# Altium PCB PCB1.PcbDoc (part 3 of 8) (continued)
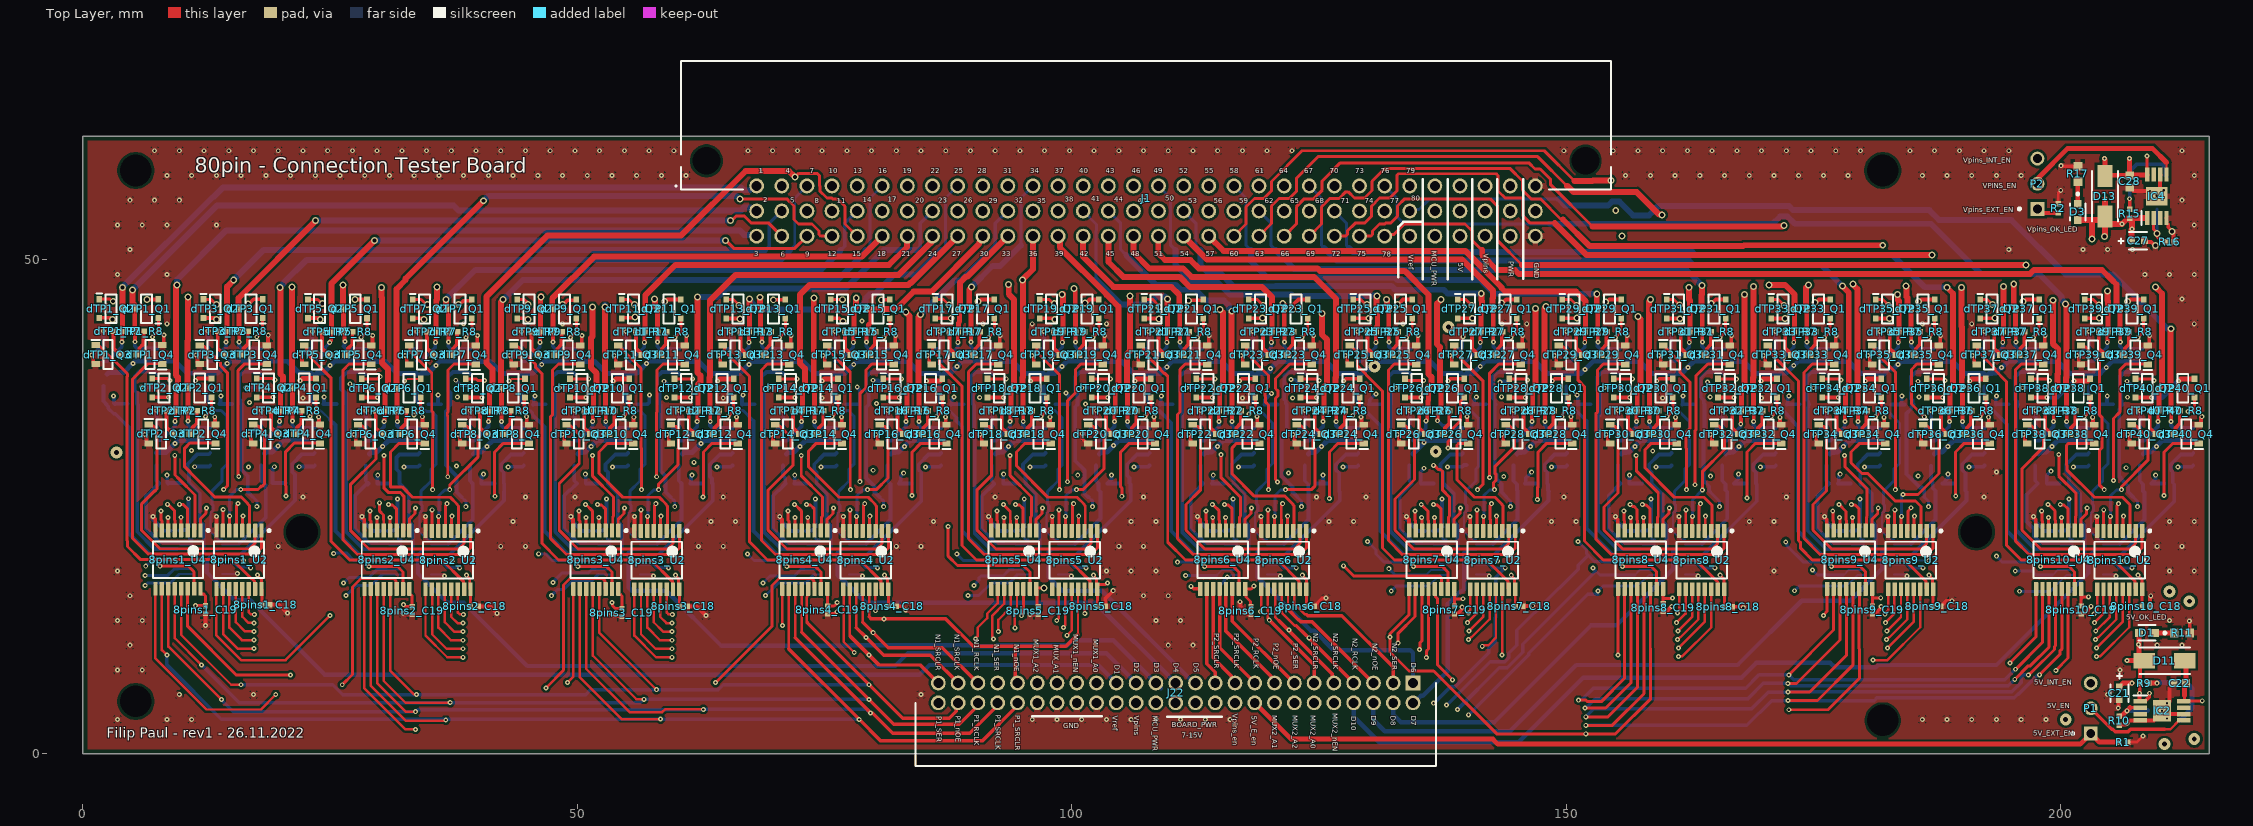
[diagram p0: Top Layer view]
## Nets (pads, with @x,y where several pads share a name; then routed paths per layer and width w, separated by ;. In a path a pad name is that pad's centre, name@x,y a point inside that pad or via, vN(x,y) a via of type N, cw(c..) or ccw(c..) an arc to the next point about the centre after c; other vN are vias at no path point) (continued)
  Layer 2 w0.3: v1(28.139,42.133) 27.688,41.682 27.688,34.685 26.479,33.476 26.479,22.052 28.181,20.35 31.407,20.35 33.007,21.95 33.007,23.39 33.642,24.025 v1(33.642,24.871)
NetdTP5_Q2_1: 8pins2_U4.15 dTP5_Q2.1 | length 35.9
  Top Layer w0.3: dTP5_Q2.1@22.753,45.959 23.741,45.959 24.14,45.56 v3(24.208,45.56) ; v1(28.917,18.974) 31.8,18.974 32.372,18.402 8pins2_U4.15@32.372,16.692
  Layer 2 w0.3: v3(24.208,45.56) 24.216,45.56 25.9,43.877 25.9,42.072 25.813,41.985 25.813,41.422 25.9,41.335 25.9,21.488 28.232,19.156 28.681,19.156 28.863,18.974 v1(28.917,18.974)
NetdTP5_Q3_1: 8pins2_U2.15 dTP5_Q3.1 | length 36.9
  Top Layer w0.3: dTP5_Q3.1@22.391,41.309 22.472,41.309 22.622,41.159 22.622,40.779 22.751,40.651 22.751,40.344 25.1,37.995 25.1,21.5 26.972,19.628 36.32,19.628 38.468,17.479 38.468,16.738 8pins2_U2.15@38.543,16.663
NetdTP5_Q3_3: dTP5_Q3.3 dTP5_R7.2 | length 2.7
  Top Layer w0.381: dTP5_R7.2@24.189,42.733 24.189,41.011 dTP5_Q3.3@24.655,40.545 ; dTP5_Q3.3@24.697,40.451 dTP5_Q3.3@25.022,40.451
NetdTP5_Q4_1: 8pins2_U2.1 dTP5_Q4.1 | length 35.8
  Top Layer w0.3: dTP5_Q4.1@29.139,39.433 26.914,39.433 26.314,38.833 26.314,21.632 27.765,20.182 38.554,20.182 39.193,20.821 8pins2_U2.1@39.193,22.563
NetdTP5_Q4_3: dTP5_Q4.3 dTP5_R8.2 | length 2.6
  Top Layer w0.381: dTP5_Q4.3@26.639,40.383 26.69,40.383 26.8,40.493 26.8,40.994 27.238,41.432 27.238,42.682 dTP5_R8.2@27.289,42.733
NetdTP6_IC1_1: 8pins2_U3.15 dTP6_IC1.1 dTP6_R5.2 | length 12.5
  Bottom Layer w0.2: 29.623,21.348 29.714,21.257 30.879,21.257 30.968,21.168 8pins2_U3.15@32.218,21.168
  Bottom Layer w0.381: dTP6_IC1.1@28.605,29.16 28.605,27.627 dTP6_R5.2@28.867,27.365 ; dTP6_R5.2@28.869,27.34 28.784,27.256 28.618,27.256 27.512,26.15 27.512,22.772 28.936,21.348 29.623,21.348
NetdTP6_IC1_7: 8pins2_U3.12 dTP6_IC1.7 dTP6_R6.2 | length 14.3
  Bottom Layer w0.2: 8pins2_U3.12@32.218,19.668 32.268,19.718 32.838,19.718 33.362,20.242 33.362,20.248
  Bottom Layer w0.381: dTP6_R6.2@32.017,27.365 32.017,28.482 31.7,28.799 31.7,29.995 32,30.295 33.894,30.295 dTP6_IC1.7@34.029,30.43 ; dTP6_R6.2@32.019,27.34 32.677,26.682 32.677,26.624 32.678,26.624 32.947,26.354 32.947,23.509 33.362,23.094 33.362,20.248
NetdTP6_Q1_1: 8pins2_U4.3 dTP6_Q1.1 | length 15.6
  Top Layer w0.3: v1(30.916,25.229) 30.954,25.191 31.31,25.191 31.695,24.806 8pins2_U4.3@31.695,22.511
  Top Layer w0.31: v1(33.482,34.291) 34.157,34.966 dTP6_Q1.1@34.157,36.04
  Layer 2 w0.3: v1(30.916,25.229) 30.916,25.283 30.721,25.478 30.721,29.244 33.482,32.005 v1(33.482,34.291)
NetdTP6_Q2_1: 8pins2_U4.2 dTP6_Q2.1 | length 19.9
  Top Layer w0.3: dTP6_Q2.1@28.181,37.94 29.797,37.94 30.013,38.156 v1(30.067,38.156) ; v1(30.448,30.176) 30.467,30.157 30.467,26.866 30.872,26.461 32.057,26.461 32.447,26.071 32.456,26.062 32.456,25.52 32.447,25.511 32.447,22.667 8pins2_U4.2@32.372,22.592
  Layer 2 w0.3: v1(30.067,38.156) 30.563,37.66 30.678,37.66 31.135,37.202 31.135,30.865 30.448,30.178 v1(30.448,30.176)
NetdTP6_Q3_1: 8pins2_U2.2 dTP6_Q3.1 | length 26.5
  Top Layer w0.3: dTP6_Q3.1@27.817,33.315 27.967,33.165 28.267,33.165 29.429,32.003 29.429,31.023 29.629,30.823 29.629,29.824 27.038,27.233 27.038,22.635 28.937,20.736 37.99,20.736 38.538,21.284 38.538,22.558 8pins2_U2.2@38.543,22.563
NetdTP6_Q3_3: dTP6_Q3.3 dTP6_R7.2 | length 2.7
  Top Layer w0.381: dTP6_R7.2@29.617,34.715 29.617,32.992 dTP6_Q3.3@30.082,32.527 ; dTP6_Q3.3@30.124,32.432 dTP6_Q3.3@30.449,32.432
NetdTP6_Q4_1: 8pins2_U2.3 dTP6_Q4.1 | length 17.6
  Top Layer w0.3: dTP6_Q4.1@34.567,31.415 31.967,31.415 31.102,30.55 31.102,27.015 32.287,27.015 33.338,25.963 37.147,25.963 37.833,25.277 37.833,25.223 37.968,25.088 37.968,22.638 8pins2_U2.3@37.893,22.563
NetdTP6_Q4_3: dTP6_Q4.3 dTP6_R8.2 | length 2.6
  Top Layer w0.381: dTP6_Q4.3@32.067,32.365 32.118,32.365 32.227,32.474 32.227,32.975 32.666,33.413 32.666,34.663 dTP6_R8.2@32.717,34.715
NetdTP7_IC1_1: 8pins2_U3.1 dTP7_IC1.1 dTP7_R5.2 | length 18.2
  Bottom Layer w0.2: 34.191,24.495 34.155,24.495 34.028,24.369 34.028,22.483 34.843,21.668 8pins2_U3.1@35.218,21.668
  Bottom Layer w0.3: dTP7_R5.2@34.038,35.377 34.038,35.355 34.315,35.078 34.315,34.933 34.52,34.728 34.665,34.728 34.755,34.638 35.279,34.638 35.699,34.218 35.699,29.295 35.214,28.81 35.214,27.602 34.173,26.56 34.173,25.265 34.296,25.142 34.296,24.6 34.191,24.495
  Bottom Layer w0.381: dTP7_IC1.1@33.776,37.172 33.776,35.639 dTP7_R5.2@34.038,35.377
NetdTP7_IC1_7: 8pins2_U3.5 dTP7_IC1.7 dTP7_R6.2 | length 25.1
  Layer 2 w0.3: v1(37.386,19.528) 37.386,21.581 38.717,22.912 v1(38.717,25.005)
  Bottom Layer w0.2: 8pins2_U3.5@35.218,19.668 36.822,19.668 36.867,19.624 37.119,19.624 37.157,19.585 37.328,19.585 v1(37.386,19.528)
  Bottom Layer w0.3: 38.29,25.989 38.717,25.562 v1(38.717,25.005)
  Bottom Layer w0.381: dTP7_R6.2@37.188,35.377 37.166,35.399 37.166,36.517 36.938,36.745 36.938,38.16 37.411,38.634 38.407,38.634 38.488,38.553 39.067,38.553 dTP7_IC1.7@39.202,38.418 ; dTP7_R6.2@37.19,35.353 36.955,35.119 36.955,34.917 36.7,34.661 36.7,29.208 37.791,28.118 37.791,26.488 38.29,25.989
NetdTP7_Q1_1: 8pins2_U4.5 dTP7_Q1.1 | length 26.8
  Top Layer w0.3: v1(30.007,25.399) 30.007,24.557 30.387,24.177 30.387,23.65 30.422,23.615 8pins2_U4.5@30.422,22.592 ; v1(38.738,42.127) 39.326,42.715 dTP7_Q1.1@39.326,44.077
  Layer 2 w0.3: v1(37.861,36.095) 37.861,36.136 38.738,37.014 v1(38.738,42.127)
  Layer 3 w0.3: v1(30.007,25.399) 31.282,26.674 33.519,26.674 37.162,30.318 37.162,35.396 v1(37.861,36.095)
NetdTP7_Q2_1: 8pins2_U4.4 dTP7_Q2.1 | length 28
  Top Layer w0.3: v1(31.041,23.921) 31.041,22.623 8pins2_U4.4@31.072,22.592 ; dTP7_Q2.1@33.352,45.953 34.206,45.953 34.714,45.445 v3(34.822,45.445)
  Layer 2 w0.3: v1(31.041,23.921) 31.079,23.959 31.079,24.143 36.7,29.765 36.7,40.987 36.307,41.38 36.307,41.921 36.7,42.314 36.7,43.567 v3(34.822,45.445)
NetdTP7_Q3_1: 8pins2_U2.4 dTP7_Q3.1 | length 20.8
  Top Layer w0.3: dTP7_Q3.1@32.99,41.303 33.091,41.203 33.091,40.729 33.242,40.578 33.242,40.553 35.274,38.521 35.274,34.694 35.383,34.586 35.383,32.885 35.369,32.871 v1(35.369,26.725) ; 8pins2_U2.4@37.243,22.563 37.279,22.599 37.279,24.012 v1(37.314,24.048)
  Layer 2 w0.3: v1(35.369,26.725) 35.369,25.523 35.545,25.347 35.589,25.347 36.888,24.048 v1(37.314,24.048)
NetdTP7_Q3_3: dTP7_Q3.3 dTP7_R7.2 | length 2.7
  Top Layer w0.381: dTP7_R7.2@34.788,42.727 34.788,41.005 dTP7_Q3.3@35.254,40.54 ; dTP7_Q3.3@35.296,40.445 dTP7_Q3.3@35.621,40.445
NetdTP7_Q4_1: 8pins2_U2.5 dTP7_Q4.1 | length 19.9
  Top Layer w0.3: 8pins2_U2.5@36.593,22.563 36.668,22.638 36.668,23.713 36.66,23.721 36.66,25.112 36.804,25.255 v1(36.804,25.309) ; v1(36.893,28.033) 36.893,34.167 36.842,34.218 36.842,34.493 36.913,34.565 36.913,38.827 37.513,39.427 dTP7_Q4.1@39.738,39.427
  Layer 3 w0.3: v1(36.804,25.309) 36.309,25.804 36.309,27.449 v1(36.893,28.033)
NetdTP7_Q4_3: dTP7_Q4.3 dTP7_R8.2 | length 2.6
  Top Layer w0.381: dTP7_Q4.3@37.238,40.377 37.289,40.377 37.399,40.487 37.399,40.988 37.837,41.426 37.837,42.676 dTP7_R8.2@37.888,42.727
NetdTP8_IC1_1: 8pins2_U3.2 dTP8_IC1.1 dTP8_R5.2 | length 10.8
  Bottom Layer w0.2: 8pins2_U3.2@35.218,21.168 36.873,21.168 36.944,21.239
  Bottom Layer w0.381: 36.944,21.239 39.419,23.714 39.419,27.331 dTP8_R5.2@39.41,27.34 ; dTP8_IC1.1@39.146,29.16 39.146,27.627 dTP8_R5.2@39.408,27.365
NetdTP8_IC1_7: 8pins2_U3.4 dTP8_IC1.7 dTP8_R6.2 | length 16.1
  Bottom Layer w0.2: 8pins2_U3.4@35.218,20.168 37.092,20.168
  Bottom Layer w0.381: 37.092,20.168 42.569,25.645 42.569,26.508 42.608,26.547 42.608,27.292 dTP8_R6.2@42.56,27.34 ; dTP8_R6.2@42.558,27.365 42.558,28.482 42.308,28.732 42.308,29.308 43.295,30.295 44.435,30.295 dTP8_IC1.7@44.57,30.43
NetdTP8_Q1_1: 8pins2_U4.7 dTP8_Q1.1 | length 24.5
  Top Layer w0.3: v1(29.044,24.566) 29.051,24.56 29.051,23.635 29.122,23.564 8pins2_U4.7@29.122,22.592 ; v1(44.148,34.609) 44.202,34.609 44.43,34.837 44.623,34.837
  Top Layer w0.31: 44.623,34.837 44.625,34.838 44.625,35.968 dTP8_Q1.1@44.698,36.04
  Layer 2 w0.3: v1(37.764,29.126) 38.284,29.645 41.663,29.645 43.858,31.84 43.858,33.759 44.11,34.011 44.11,34.571 v1(44.148,34.609)
  Layer 3 w0.3: v1(29.044,24.566) 29.053,24.575 31.625,24.575 31.661,24.611 32.238,24.611 36.754,29.126 v1(37.764,29.126)
NetdTP8_Q2_1: 8pins2_U4.6 dTP8_Q2.1 | length 25
  Top Layer w0.3: v1(29.733,23.906) 29.752,23.886 29.752,22.612 8pins2_U4.6@29.772,22.592 ; dTP8_Q2.1@38.722,37.94 39.75,37.94 39.9,37.79 40.568,37.79 v1(40.6,37.758)
  Layer 2 w0.3: v1(29.733,23.906) 30.397,23.241 31.286,23.241 31.695,23.65 31.695,23.976 37.254,29.535 37.254,29.849 40.366,32.961 41.279,32.961 41.676,33.358 41.676,36.804 41.218,37.262 41.096,37.262 v1(40.6,37.758)
NetdTP8_Q3_1: 8pins2_U2.6 dTP8_Q3.1 | length 13.5
  Top Layer w0.3: 8pins2_U2.6@35.943,22.563 35.961,22.581 35.961,24.015 v1(35.979,24.033) ; v1(37.096,26.725) 37.096,27.194 39.97,30.068 39.97,32.003 38.808,33.165 38.508,33.165 dTP8_Q3.1@38.358,33.315
  Bottom Layer w0.3: v1(35.979,24.033) 36.017,24.071 36.017,26.128 36.593,26.705 37.076,26.705 v1(37.096,26.725)
NetdTP8_Q3_3: dTP8_Q3.3 dTP8_R7.2 | length 2.7
  Top Layer w0.381: dTP8_R7.2@40.158,34.715 40.158,32.992 dTP8_Q3.3@40.623,32.527 ; dTP8_Q3.3@40.665,32.432 dTP8_Q3.3@40.99,32.432
NetdTP8_Q4_1: 8pins2_U2.7 dTP8_Q4.1 | length 19
  Top Layer w0.3: 8pins2_U2.7@35.293,22.563 35.306,22.576 35.306,24.681 v1(35.318,24.693) ; v1(41.668,26.065) 41.643,26.09 41.643,30.55 42.508,31.415 dTP8_Q4.1@45.108,31.415
  Layer 3 w0.3: v1(35.318,24.693) 35.318,23.768 35.708,23.379 38.982,23.379 v1(41.668,26.065)
NetdTP8_Q4_3: dTP8_Q4.3 dTP8_R8.2 | length 2.6
  Top Layer w0.381: dTP8_Q4.3@42.608,32.365 42.659,32.365 42.768,32.474 42.768,32.975 43.207,33.413 43.207,34.663 dTP8_R8.2@43.258,34.715
NetdTP9_IC1_1: 8pins3_U3.13 dTP9_IC1.1 dTP9_R5.2 | length 23.3
  Bottom Layer w0.2: 49.048,20.172 49.276,20.172 49.28,20.168 52.008,20.168 52.012,20.172 8pins3_U3.13@53.343,20.172
  Bottom Layer w0.25: 49.048,20.172 49.052,20.168
  Bottom Layer w0.3: dTP9_R5.2@44.606,35.353 44.731,35.228 44.731,35.203 44.881,35.053 44.881,34.933 45.086,34.728 45.231,34.728 45.48,34.48 45.48,34.272 45.617,34.134
  Bottom Layer w0.381: dTP9_IC1.1@44.343,37.172 44.343,35.639 dTP9_R5.2@44.605,35.377 ; 45.617,34.134 46.668,33.084 46.668,22.552 49.048,20.172
NetdTP9_IC1_7: 8pins3_U3.14 dTP9_IC1.7 dTP9_R6.2 | length 24.7
  Bottom Layer w0.2: 51.782,20.713 51.827,20.668 8pins3_U3.14@53.347,20.668
  Bottom Layer w0.381: dTP9_IC1.7@49.768,38.418 49.634,38.553 49.054,38.553 48.973,38.634 47.978,38.634 47.505,38.16 47.505,36.745 47.755,36.495 47.755,35.377 47.756,35.376 47.756,22.462 49.506,20.713 51.782,20.713
NetdTP9_Q1_1: 8pins3_U4.1 dTP9_Q1.1 | length 35.9
  Top Layer w0.3: v1(49.305,42.127) 49.893,42.715 dTP9_Q1.1@49.893,44.077 ; 8pins3_U4.1@54.135,23.27 54.135,23.742 54.72,24.327 54.72,24.766 54.771,24.817 v1(54.771,24.871)
  Layer 2 w0.3: v1(49.305,42.127) 48.853,41.676 48.853,36.762 48.846,36.755 48.846,36.061 47.608,34.823 47.608,22.052 49.31,20.35 52.535,20.35 54.136,21.95 54.136,23.39 54.771,24.025 v1(54.771,24.871)
NetdTP9_Q2_1: 8pins3_U4.15 dTP9_Q2.1 | length 36
  Top Layer w0.3: dTP9_Q2.1@43.918,45.953 44.647,45.953 44.923,45.677 44.923,45.521 v3(45,45.445) ; v1(50.046,18.974) 52.929,18.974 53.501,18.402 8pins3_U4.15@53.501,16.692
  Layer 2 w0.3: v3(45,45.445) 45.792,44.652 46.284,44.652 47,43.936 47,42.048 46.874,41.921 46.874,40.613 47.054,40.432 47.054,35.052 47.054,21.822 47.054,21.462 49.36,19.156 49.81,19.156 49.992,18.974 v1(50.046,18.974)
NetdTP9_Q3_1: 8pins3_U2.15 dTP9_Q3.1 | length 37
  Top Layer w0.3: dTP9_Q3.1@43.555,41.327 43.705,41.177 44.005,41.177 45.746,39.436 45.746,39.124 46.4,38.47 46.4,21.329 48.101,19.628 57.449,19.628 59.597,17.479 59.597,16.738 8pins3_U2.15@59.672,16.663
NetdTP9_Q3_3: dTP9_Q3.3 dTP9_R7.2 | length 2.7
  Top Layer w0.381: dTP9_R7.2@45.355,42.727 45.355,41.005 dTP9_Q3.3@45.82,40.54 ; dTP9_Q3.3@45.862,40.445 dTP9_Q3.3@46.187,40.445
NetdTP9_Q4_1: 8pins3_U2.1 dTP9_Q4.1 | length 35.9
  Top Layer w0.3: dTP9_Q4.1@50.305,39.427 48.08,39.427 47.48,38.827 47.48,34.293 47.303,34.117 47.303,21.772 48.894,20.182 59.683,20.182 60.322,20.821 8pins3_U2.1@60.322,22.563
NetdTP9_Q4_3: dTP9_Q4.3 dTP9_R8.2 | length 2.6
  Top Layer w0.381: dTP9_Q4.3@47.805,40.377 47.856,40.377 47.965,40.487 47.965,40.988 48.403,41.426 48.403,42.676 dTP9_R8.2@48.455,42.727
NetdTP10_IC1_1: 8pins3_U3.15 dTP10_IC1.1 dTP10_R5.2 | length 12.4
  Bottom Layer w0.2: 50.752,21.348 50.843,21.257 52.008,21.257 52.097,21.168 8pins3_U3.15@53.347,21.168
  Bottom Layer w0.381: dTP10_IC1.1@49.687,29.16 49.687,27.627 dTP10_R5.2@49.949,27.365 ; dTP10_R5.2@49.951,27.34 49.284,26.674 49.208,26.674 48.641,26.107 48.641,22.772 50.065,21.348 50.752,21.348
NetdTP10_IC1_7: 8pins3_U3.12 dTP10_IC1.7 dTP10_R6.2 | length 13.8
  Bottom Layer w0.2: 8pins3_U3.12@53.347,19.668 53.397,19.718 53.967,19.718 54.491,20.242 54.491,20.248
  Bottom Layer w0.381: dTP10_R6.2@53.099,27.365 53.099,28.482 52.849,28.732 52.849,29.308 53.836,30.295 54.976,30.295 dTP10_IC1.7@55.111,30.43 ; dTP10_R6.2@53.101,27.34 53.805,26.635 53.805,26.624 53.807,26.624 54.076,26.354 54.076,23.509 54.491,23.094 54.491,20.248
NetdTP10_Q1_1: 8pins3_U4.3 dTP10_Q1.1 | length 15.6
  Top Layer w0.3: v1(52.045,25.229) 52.083,25.191 52.439,25.191 52.823,24.806 8pins3_U4.3@52.823,22.511 ; v1(54.649,34.115) 55.237,34.703
  Top Layer w0.31: 55.237,34.703 55.239,34.704 dTP10_Q1.1@55.239,36.04
  Layer 2 w0.3: v1(52.045,25.229) 52.045,25.283 51.85,25.478 51.85,26.598 51.824,26.624 51.824,29.265 54.399,31.84 54.399,33.832 54.649,34.082 v1(54.649,34.115)
NetdTP10_Q2_1: 8pins3_U4.2 dTP10_Q2.1 | length 18.9
  Top Layer w0.3: dTP10_Q2.1@49.263,37.94 v1(51.149,37.94) ; v1(51.53,30.176) 51.549,30.157 51.549,28.098 53.653,25.994 53.653,24.044 53.576,23.967 53.576,23.318 53.576,22.667 8pins3_U4.2@53.501,22.592
  Layer 2 w0.3: v1(51.149,37.94) 52.217,36.872 52.217,30.865 51.53,30.178 v1(51.53,30.176)
NetdTP10_Q3_1: 8pins3_U2.2 dTP10_Q3.1 | length 26
  Top Layer w0.3: dTP10_Q3.1@48.899,33.315 49.049,33.165 49.349,33.165 50.191,32.322 50.191,29.386 48.167,27.362 48.167,22.635 50.066,20.736 59.119,20.736 59.667,21.284 59.667,22.558 8pins3_U2.2@59.672,22.563
NetdTP10_Q3_3: dTP10_Q3.3 dTP10_R7.2 | length 2.7
  Top Layer w0.381: dTP10_R7.2@50.699,34.715 50.699,32.992 dTP10_Q3.3@51.164,32.527 ; dTP10_Q3.3@51.206,32.432 dTP10_Q3.3@51.531,32.432
NetdTP10_Q4_1: 8pins3_U2.3 dTP10_Q4.1 | length 16.9
  Top Layer w0.3: dTP10_Q4.1@55.649,31.415 53.049,31.415 52.184,30.55 52.184,28.379 54.6,25.963 58.276,25.963 58.962,25.277 58.962,25.223 59.097,25.088 59.097,22.638 8pins3_U2.3@59.022,22.563
NetdTP10_Q4_3: dTP10_Q4.3 dTP10_R8.2 | length 2.6
  Top Layer w0.381: dTP10_Q4.3@53.149,32.365 53.2,32.365 53.309,32.474 53.309,32.975 53.748,33.413 53.748,34.663 dTP10_R8.2@53.799,34.715
NetdTP11_IC1_1: 8pins3_U3.1 dTP11_IC1.1 dTP11_R5.2 | length 18.2
  Bottom Layer w0.2: 55.32,24.495 55.284,24.495 55.157,24.369 55.157,22.483 55.972,21.668 8pins3_U3.1@56.347,21.668
  Bottom Layer w0.3: dTP11_R5.2@55.171,35.377 55.171,35.355 dTP11_R5.2@55.173,35.353 55.448,35.078 55.448,34.933 55.673,34.708 56.338,34.708 56.828,34.218 56.828,29.295 56.343,28.81 56.343,27.602 55.302,26.56 55.302,25.265 55.425,25.142 55.425,24.6 55.32,24.495
  Bottom Layer w0.381: dTP11_IC1.1@54.909,37.172 54.909,35.639 dTP11_R5.2@55.171,35.377
NetdTP11_IC1_7: 8pins3_U3.5 dTP11_IC1.7 dTP11_R6.2 | length 24.7
  Layer 2 w0.3: v1(58.515,19.528) 58.515,21.581 59.846,22.912 v1(59.846,25.005)
  Bottom Layer w0.2: 8pins3_U3.5@56.347,19.668 57.951,19.668 57.996,19.624 58.248,19.624 58.286,19.585 58.457,19.585 v1(58.515,19.528)
  Bottom Layer w0.3: 59.419,25.989 59.846,25.562 v1(59.846,25.005)
  Bottom Layer w0.381: 59.419,25.989 58.92,26.488 58.92,28.118 58.396,28.641 58.396,31.98 58.37,32.006 58.37,32.582 58.396,32.608 58.396,35.302 58.321,35.377 58.321,36.495 58.071,36.745 58.071,38.16 58.544,38.634 59.54,38.634 59.62,38.553 60.2,38.553 dTP11_IC1.7@60.335,38.418
NetdTP11_Q1_1: 8pins3_U4.5 dTP11_Q1.1 | length 27.2
  Top Layer w0.3: v1(50.819,25.229) 50.873,25.229 51.515,24.586 51.515,23.65 51.551,23.615 8pins3_U4.5@51.551,22.592 ; v1(59.871,42.127) 60.459,42.715 dTP11_Q1.1@60.459,44.077
  Layer 2 w0.3: v1(59.016,36.035) 59.016,36.09 59.42,36.494 59.42,41.676 v1(59.871,42.127)
  Layer 3 w0.3: v1(50.819,25.229) 52.264,26.674 54.648,26.674 58.442,30.468 58.442,31.992 58.411,32.023 58.411,35.431 v1(59.016,36.035)
NetdTP11_Q2_1: 8pins3_U4.4 dTP11_Q2.1 | length 27.9
  Top Layer w0.3: v1(52.169,23.921) 52.169,22.623 8pins3_U4.4@52.201,22.592 ; dTP11_Q2.1@54.485,45.953 55.222,45.953 55.715,45.461 v3(55.764,45.461)
  Layer 2 w0.3: v1(52.169,23.921) 52.208,23.959 52.208,24.143 58,29.936 58,40.82 57.44,41.38 57.44,44.063 56.779,44.724 56.501,44.724 v3(55.764,45.461)
NetdTP11_Q3_1: 8pins3_U2.4 dTP11_Q3.1 | length 20.9
  Top Layer w0.3: dTP11_Q3.1@54.121,41.327 54.224,41.327 54.398,41.153 54.398,41.051 56.446,39.002 56.446,34.565 56.456,34.554 56.456,30.928 56.498,30.887 v1(56.498,26.725) ; 8pins3_U2.4@58.372,22.563 58.408,22.599 58.408,24.012 v1(58.443,24.048)
  Layer 2 w0.3: v1(56.498,26.725) 56.498,25.523 56.674,25.347 56.718,25.347 58.017,24.048 v1(58.443,24.048)
NetdTP11_Q3_3: dTP11_Q3.3 dTP11_R7.2 | length 2.7
  Top Layer w0.381: dTP11_R7.2@55.921,42.727 55.921,41.005 dTP11_Q3.3@56.387,40.54 ; dTP11_Q3.3@56.428,40.445 dTP11_Q3.3@56.753,40.445
NetdTP11_Q4_1: 8pins3_U2.5 dTP11_Q4.1 | length 19.9
  Top Layer w0.3: 8pins3_U2.5@57.722,22.563 57.797,22.638 57.797,23.713 57.789,23.721 57.789,25.112 57.933,25.255 v1(57.933,25.309) ; v1(58.022,28.033) 58.022,34.54 58.046,34.565 58.046,38.827 58.646,39.427 dTP11_Q4.1@60.871,39.427
  Layer 3 w0.3: v1(57.933,25.309) 57.438,25.804 57.438,27.449 v1(58.022,28.033)
NetdTP11_Q4_3: dTP11_Q4.3 dTP11_R8.2 | length 2.6
  Top Layer w0.381: dTP11_Q4.3@58.371,40.377 58.422,40.377 58.532,40.487 58.532,40.988 58.97,41.426 58.97,42.676 dTP11_R8.2@59.021,42.727
NetdTP12_IC1_1: 8pins3_U3.2 dTP12_IC1.1 dTP12_R5.2 | length 10.8
  Bottom Layer w0.2: 8pins3_U3.2@56.347,21.168 58.002,21.168 58.073,21.239
  Bottom Layer w0.381: 58.073,21.239 60.517,23.683 60.517,24.694 60.54,24.718 60.54,25.293 60.517,25.316 dTP12_R5.2@60.517,27.34 ; dTP12_IC1.1@60.253,29.16 60.253,27.627 dTP12_R5.2@60.515,27.365
NetdTP12_IC1_7: 8pins3_U3.4 dTP12_IC1.7 dTP12_R6.2 | length 16.1
  Bottom Layer w0.2: 8pins3_U3.4@56.347,20.168 58.221,20.168
  Bottom Layer w0.381: 58.221,20.168 63.698,25.645 63.698,27.31 dTP12_R6.2@63.667,27.34 63.603,27.404 63.603,27.873 63.415,28.061 63.415,29.308 64.403,30.295 65.543,30.295 dTP12_IC1.7@65.677,30.43
NetdTP12_Q1_1: 8pins3_U4.7 dTP12_Q1.1 | length 24.4
  Top Layer w0.3: v1(50.173,24.566) 50.18,24.56 50.18,23.635 50.251,23.564 8pins3_U4.7@50.251,22.592 ; v1(65.215,34.115) 65.803,34.703
  Top Layer w0.31: 65.803,34.703 65.805,34.704 dTP12_Q1.1@65.805,36.04
  Layer 2 w0.3: v1(61.8,29.495) 62.62,29.495 64.965,31.84 64.965,33.832 65.215,34.082 v1(65.215,34.115)
  Layer 3 w0.3: v1(50.173,24.566) 50.182,24.575 52.754,24.575 52.79,24.611 53.367,24.611 58.252,29.495 v1(61.8,29.495)
NetdTP12_Q2_1: 8pins3_U4.6 dTP12_Q2.1 | length 24.8
  Top Layer w0.3: v1(50.861,23.906) 50.881,23.886 50.881,22.612 8pins3_U4.6@50.901,22.592 ; dTP12_Q2.1@59.829,37.94 v1(61.631,37.94)
  Layer 2 w0.3: v1(50.861,23.906) 51.508,23.259 52.433,23.259 52.823,23.65 52.823,23.976 56.227,27.379 56.484,27.379 57.368,28.263 57.368,28.304 59.888,30.824 60.249,30.824 62.769,33.344 62.769,33.664 62.784,33.679 62.784,36.788 v1(61.631,37.94)
NetdTP12_Q3_1: 8pins3_U2.6 dTP12_Q3.1 | length 12.8
  Top Layer w0.3: 8pins3_U2.6@57.072,22.563 57.09,22.581 57.09,24.015 v1(57.107,24.033) ; v1(58.225,26.725) 58.225,27.312 60.174,29.261 60.174,30.878 60.242,30.945 60.242,32.838 59.939,33.14 59.639,33.14 dTP12_Q3.1@59.465,33.315
  Bottom Layer w0.3: v1(57.107,24.033) 57.146,24.071 57.146,26.128 57.722,26.705 58.205,26.705 v1(58.225,26.725)
NetdTP12_Q3_3: dTP12_Q3.3 dTP12_R7.2 | length 2.7
  Top Layer w0.381: dTP12_R7.2@61.265,34.715 61.265,32.992 dTP12_Q3.3@61.731,32.527 ; dTP12_Q3.3@61.773,32.432 dTP12_Q3.3@62.098,32.432
NetdTP12_Q4_1: 8pins3_U2.7 dTP12_Q4.1 | length 19
  Top Layer w0.3: 8pins3_U2.7@56.422,22.563 56.435,22.576 56.435,24.681 v1(56.447,24.693) ; v1(62.714,26.002) 62.75,26.038 62.75,30.55 63.615,31.415 dTP12_Q4.1@66.215,31.415
  Layer 3 w0.3: v1(56.447,24.693) 56.447,23.768 56.837,23.379 60.111,23.379 62.714,25.982 v1(62.714,26.002)
NetdTP12_Q4_3: dTP12_Q4.3 dTP12_R8.2 | length 2.6
  Top Layer w0.381: dTP12_Q4.3@63.715,32.365 63.766,32.365 63.876,32.474 63.876,32.975 64.314,33.413 64.314,34.663 dTP12_R8.2@64.365,34.715
NetdTP13_IC1_1: 8pins4_U3.13 dTP13_IC1.1 dTP13_R5.2 | length 23.6
  Bottom Layer w0.2: 70.177,20.172 70.405,20.172 70.409,20.168 73.137,20.168 73.141,20.172 8pins4_U3.13@74.472,20.172
  Bottom Layer w0.25: 70.177,20.172 70.181,20.168
  Bottom Layer w0.3: 65.824,35.067 65.881,35.067 66.219,34.728 66.772,34.728 67.797,33.703
  Bottom Layer w0.381: dTP13_IC1.1@65.475,37.172 65.475,35.639 dTP13_R5.2@65.737,35.377 ; dTP13_R5.2@65.739,35.353 65.824,35.269 65.824,35.067 ; 67.797,33.703 67.797,22.552 70.177,20.172
NetdTP13_IC1_7: 8pins4_U3.14 dTP13_IC1.7 dTP13_R6.2 | length 24.7
  Bottom Layer w0.2: 72.911,20.713 72.956,20.668 8pins4_U3.14@74.476,20.668
  Bottom Layer w0.381: dTP13_IC1.7@70.901,38.418 70.767,38.553 70.187,38.553 70.106,38.634 69.111,38.634 68.637,38.16 68.637,36.745 68.884,36.499 68.884,35.381 68.885,35.38 68.885,22.462 70.635,20.713 72.911,20.713
NetdTP13_Q1_1: 8pins4_U4.1 dTP13_Q1.1 | length 35.9
  Top Layer w0.3: v1(70.437,42.127) 71.025,42.715 dTP13_Q1.1@71.025,44.077 ; 8pins4_U4.1@75.264,23.27 75.264,23.742 75.849,24.327 75.849,24.766 75.9,24.817 v1(75.9,24.871)
  Layer 2 w0.3: v1(70.437,42.127) 70.437,37 69.377,35.94 69.377,34.117 68.737,33.476 68.737,22.052 70.439,20.35 73.664,20.35 75.265,21.95 75.265,23.39 75.9,24.025 v1(75.9,24.871)
NetdTP13_Q2_1: 8pins4_U4.15 dTP13_Q2.1 | length 35.9
  Top Layer w0.3: dTP13_Q2.1@65.051,45.953 65.789,45.953 66.332,45.41 v3(66.332,45.373) ; v1(71.175,18.974) 74.058,18.974 74.63,18.402 8pins4_U4.15@74.63,16.692
  Layer 2 w0.3: v3(66.332,45.373) 66.428,45.373 67.122,44.68 67.389,44.68 68.006,44.063 68.006,21.639 70.489,19.156 70.939,19.156 71.121,18.974 v1(71.175,18.974)
NetdTP13_Q3_1: 8pins4_U2.15 dTP13_Q3.1 | length 36.8
  Top Layer w0.3: dTP13_Q3.1@64.689,41.303 64.716,41.303 64.866,41.153 64.866,40.729 67.4,38.195 67.4,21.458 69.23,19.628 78.578,19.628 80.726,17.479 80.726,16.738 8pins4_U2.15@80.801,16.663
NetdTP13_Q3_3: dTP13_Q3.3 dTP13_R7.2 | length 2.7
  Top Layer w0.381: dTP13_R7.2@66.487,42.727 66.487,41.005 dTP13_Q3.3@66.953,40.54 ; dTP13_Q3.3@66.995,40.445 dTP13_Q3.3@67.32,40.445
NetdTP13_Q4_1: 8pins4_U2.1 dTP13_Q4.1 | length 35.7
  Top Layer w0.3: dTP13_Q4.1@71.437,39.427 69.212,39.427 68.612,38.827 68.612,21.592 70.023,20.182 80.812,20.182 81.451,20.821 8pins4_U2.1@81.451,22.563
NetdTP13_Q4_3: dTP13_Q4.3 dTP13_R8.2 | length 2.6
  Top Layer w0.381: dTP13_Q4.3@68.937,40.377 68.989,40.377 69.098,40.487 69.098,40.988 69.536,41.426 69.536,42.676 dTP13_R8.2@69.587,42.727
NetdTP14_IC1_1: 8pins4_U3.15 dTP14_IC1.1 dTP14_R5.2 | length 12.4
  Bottom Layer w0.2: 71.881,21.348 71.972,21.257 73.137,21.257 73.226,21.168 8pins4_U3.15@74.476,21.168
  Bottom Layer w0.381: dTP14_IC1.1@70.794,29.16 70.794,28.128 71.022,27.901 71.022,27.377 dTP14_R5.2@71.058,27.34 70.392,26.674 70.337,26.674 69.77,26.107 69.77,22.772 71.194,21.348 71.881,21.348
NetdTP14_IC1_7: 8pins4_U3.12 dTP14_IC1.7 dTP14_R6.2 | length 13.8
  Bottom Layer w0.2: 8pins4_U3.12@74.476,19.668 74.526,19.718 75.096,19.718 75.62,20.242 75.62,20.248
  Bottom Layer w0.381: dTP14_R6.2@74.206,27.365 74.206,28.482 73.956,28.732 73.956,29.308 74.944,30.295 76.084,30.295 dTP14_IC1.7@76.218,30.43 ; dTP14_R6.2@74.208,27.34 74.925,26.624 74.936,26.624 75.205,26.354 75.205,23.509 75.62,23.094 75.62,20.248
NetdTP14_Q1_1: 8pins4_U4.3 dTP14_Q1.1 | length 15.5
  Top Layer w0.3: v1(73.174,25.229) 73.212,25.191 73.568,25.191 73.952,24.806 8pins4_U4.3@73.952,22.511 ; v1(75.756,34.115) 76.344,34.703
  Top Layer w0.31: 76.344,34.703 76.346,34.704 dTP14_Q1.1@76.346,36.04
  Layer 2 w0.3: v1(73.174,25.229) 73.174,25.283 72.979,25.478 72.979,28.273 74.316,29.61 74.316,30.649 75.506,31.84 75.506,33.832 75.756,34.082 v1(75.756,34.115)
NetdTP14_Q2_1: 8pins4_U4.2 dTP14_Q2.1 | length 18.9
  Top Layer w0.3: dTP14_Q2.1@70.37,37.94 v1(72.197,37.94) ; v1(72.637,30.176) 72.637,28.139 74.782,25.994 74.782,24.044 74.705,23.967 74.705,23.318 74.705,22.667 8pins4_U4.2@74.63,22.592
  Layer 2 w0.3: v1(72.197,37.94) 73.325,36.813 73.325,30.865 72.637,30.178 v1(72.637,30.176)
NetdTP14_Q3_1: 8pins4_U2.2 dTP14_Q3.1 | length 26.4
  Top Layer w0.3: dTP14_Q3.1@70.006,33.315 70.156,33.165 70.456,33.165 71.618,32.003 71.618,31.023 71.818,30.823 71.818,29.213 69.296,26.691 69.296,22.635 71.195,20.736 80.248,20.736 80.796,21.284 80.796,22.558 8pins4_U2.2@80.801,22.563
NetdTP14_Q3_3: dTP14_Q3.3 dTP14_R7.2 | length 2.7
  Top Layer w0.381: dTP14_R7.2@71.806,34.715 71.806,32.992 dTP14_Q3.3@72.272,32.527 ; dTP14_Q3.3@72.314,32.432 dTP14_Q3.3@72.639,32.432
NetdTP14_Q4_1: 8pins4_U2.3 dTP14_Q4.1 | length 16.4
  Top Layer w0.3: dTP14_Q4.1@76.756,31.415 74.156,31.415 73.388,30.647 73.388,29.019 76.444,25.963 79.405,25.963 80.091,25.277 80.091,25.223 80.226,25.088 80.226,22.638 8pins4_U2.3@80.151,22.563
NetdTP14_Q4_3: dTP14_Q4.3 dTP14_R8.2 | length 2.6
  Top Layer w0.381: dTP14_Q4.3@74.256,32.365 74.307,32.365 74.417,32.474 74.417,32.975 74.855,33.413 74.855,34.663 dTP14_R8.2@74.906,34.715
NetdTP15_IC1_1: 8pins4_U3.1 dTP15_IC1.1 dTP15_R5.2 | length 18.3
  Bottom Layer w0.2: 76.449,24.495 76.413,24.495 76.286,24.369 76.286,22.483 77.101,21.668 8pins4_U3.1@77.476,21.668
  Bottom Layer w0.3: dTP15_R5.2@76.306,35.353 76.431,35.228 76.431,34.904 76.606,34.728 77.407,34.728 77.957,34.178 77.957,29.295 77.472,28.81 77.472,27.602 76.431,26.56 76.431,25.265 76.554,25.142 76.554,24.6 76.449,24.495
  Bottom Layer w0.381: dTP15_IC1.1@76.042,37.172 76.042,35.639 dTP15_R5.2@76.304,35.377
NetdTP15_IC1_7: 8pins4_U3.5 dTP15_IC1.7 dTP15_R6.2 | length 24.9
  Layer 2 w0.3: v1(79.644,19.528) 79.644,21.581 80.975,22.912 v1(80.975,25.005)
  Bottom Layer w0.2: 8pins4_U3.5@77.476,19.668 79.08,19.668 79.125,19.624 79.377,19.624 79.415,19.585 79.586,19.585 v1(79.644,19.528)
  Bottom Layer w0.3: 80.548,25.989 80.975,25.562 v1(80.975,25.005)
  Bottom Layer w0.381: 80.548,25.989 80.049,26.488 80.049,27.046 79.221,27.874 79.221,35.119 dTP15_R6.2@79.456,35.353 79.456,35.376 79.454,35.377 79.454,36.495 79.204,36.745 79.204,38.16 79.677,38.634 80.672,38.634 80.753,38.553 81.333,38.553 dTP15_IC1.7@81.468,38.418